# Altium PCB CCZynq.PcbDoc (part 2 of 5) (continued)
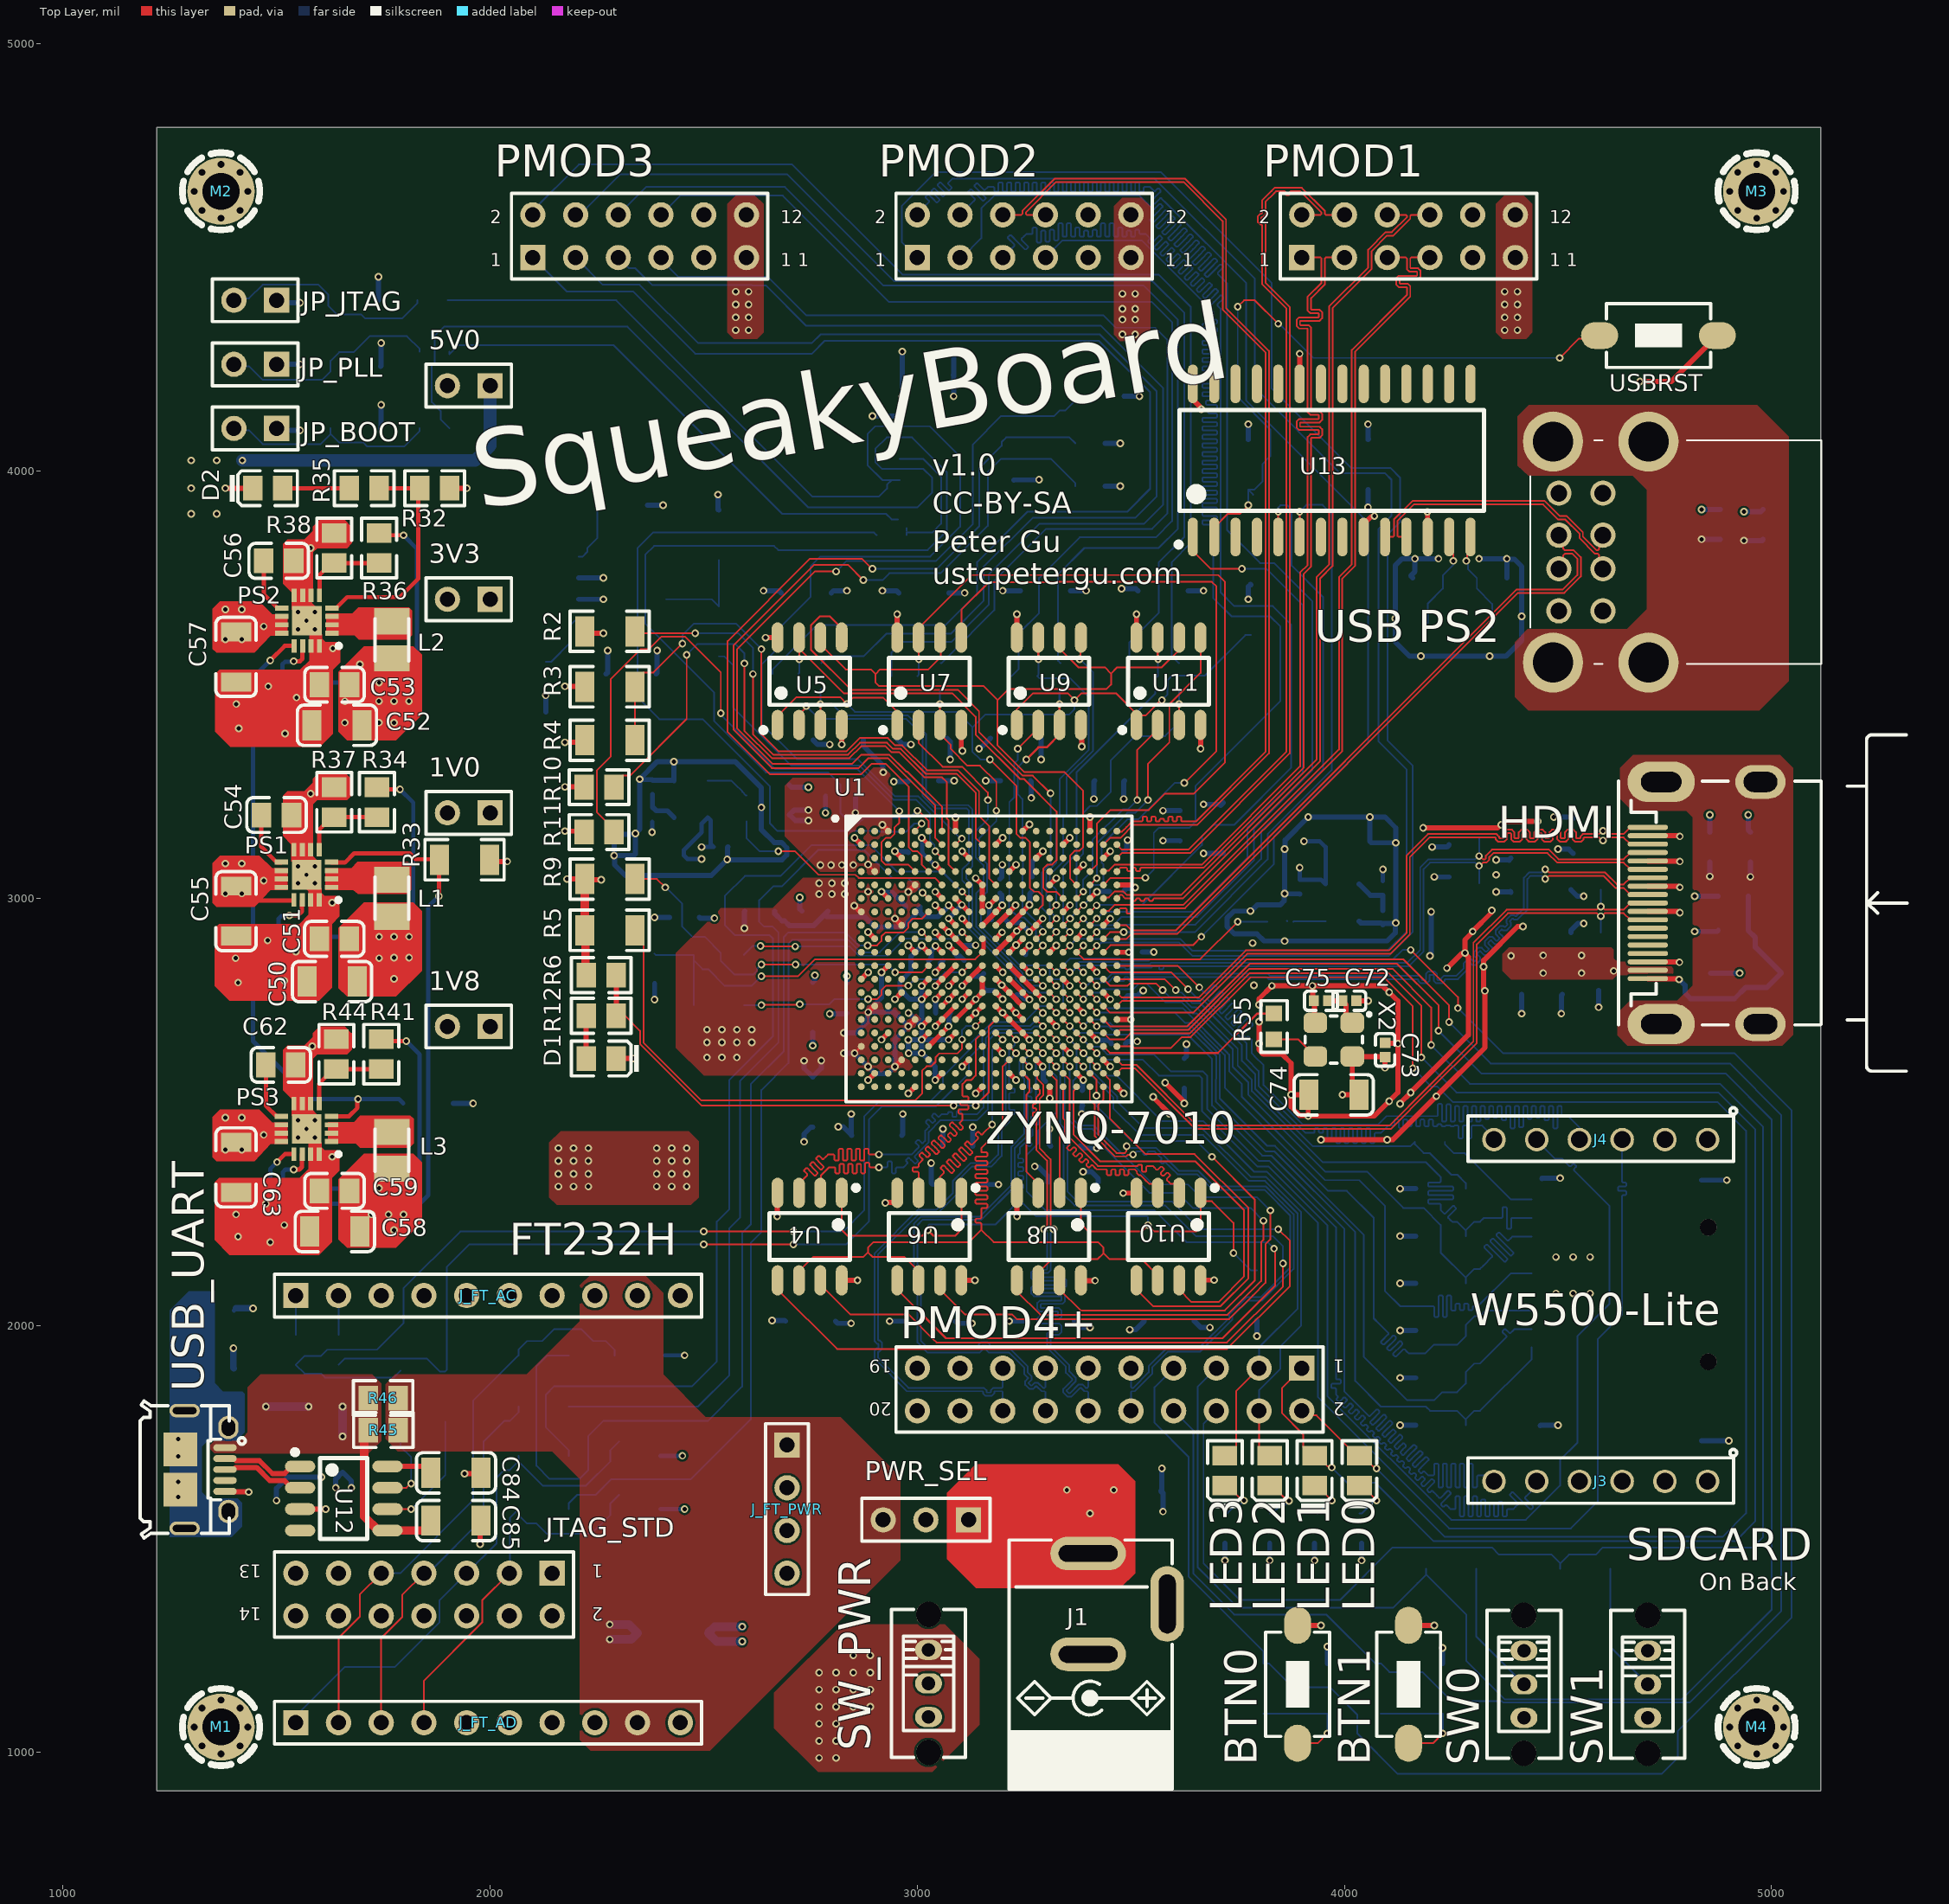
[diagram p0: Top Layer view]
## Nets (pads, with @x,y where several pads share a name; then routed paths per layer and width w, separated by ;. In a path a pad name is that pad's centre, name@x,y a point inside that pad or via, vN(x,y) a via of type N, cw(c..) or ccw(c..) an arc to the next point about the centre after c; other vN are vias at no path point) (continued)
FL_DQ1: U1.E18 U11.5 | length 697.2
  Top Layer w4: U1.E18@3404.22,3031.23 3404.34,3031.23 3419.85,3046.75 v1(3419.97,3046.86) ; v1(3540,3230) 3540,3315 3590,3365 3590,3454.43 3663,3527.43 U11.5@3663,3610.36
  Bottom Layer w4: v1(3419.97,3046.86) 3419.97,3128.41 3491.55,3200 3510,3200 v1(3540,3230)
FL_DQ2: U1.F17 U11.2 | length 503.2
  Top Layer w4: U1.F17@3372.72,2999.73 v1(3388.47,3015.48) ; v1(3515,3230) 3515,3347.6 U11.2@3563,3395.6 ; U11.2@3563,3383.98 U11.2@3563,3395.6 ; U11.2@3563,3405.64 U11.2@3563,3395.6
  Bottom Layer w4: v1(3388.47,3015.48) 3388.47,3043.54 3410,3065.07 3410,3136.73 3481.27,3208 3493,3208 v1(3515,3230)
FL_DQ3: R53.1 U1.H16 U11.3 | length 766.9
  Top Layer w4: U1.H16@3341.23,2936.74 3341.46,2936.74 3357.21,2952.49 v1(3357.44,2952.49) ; U11.3@3613,3405.64 v1(3613,3455)
  Bottom Layer w4: v1(3357.44,2952.49) 3357.44,2952.95 3373.07,2968.58 3373.07,2990.55 3372.61,2991.02 3372.61,3088.41 3388.36,3104.16 3388.36,3200.13 3404.23,3216 3419.5,3216 3452.97,3249.46 3452.97,3322.97 3509.61,3379.61 3580.32,3379.61 3613,3412.29 v1(3613,3455) R53.1@3613,3489.69 R53.1@3613.98,3489.69
FL_DQ4: R58.1 U1.J16 U11.7 | length 810.5
  Top Layer w4: U1.J16@3341.23,2905.24 v1(3356.98,2920.99)
  Top Layer w5: U11.7@3563,3610.36 3563,3560.66 v1(3563.66,3560)
  Bottom Layer w4: v1(3356.98,2920.99) 3341.57,2936.39 3341.57,2959.06 3341.34,2959.29 3341.34,3073.22 3372.84,3104.71 3372.84,3295.26 3557.36,3479.78 R58.1@3557.36,3515 3563.66,3521.3 v1(3563.66,3560)
FL_SCK: U1.E17 U5.6 U7.6 U9.6 U11.6 | length 1992.4
  Top Layer w4: U5.6@2775,3605.08 2775,3593.01 2832.29,3535.72 2891.57,3535.72 2902.28,3525 ; U7.6@3054.43,3604.51 3054.43,3564.43 3025.72,3535.72 2913,3535.72 2902.28,3525 ; U9.6@3335,3605.08 3335,3582.57 3376.85,3540.72 3438.93,3540.72 3453.46,3526.18 ; U1.E17@3372.72,3031.23 3357.72,3046.23 3357.72,3100.44 3367.99,3110.71 3378.94,3110.71 3388.36,3120.13 3388.36,3251.72 3344.33,3295.75 3250.25,3295.75 3188,3358 3188,3463.94 ; U11.6@3613,3610.36 U11.6@3613,3630.01 ; U11.6@3615,3605.08 3615,3583.42 3572.29,3540.72 3468,3540.72 3453.46,3526.18 ; 2902.28,3525 2902.28,3504.65 2910.44,3496.5 3155.44,3496.5 3188,3463.94 ; 3188,3463.94 3214.06,3490 3443.21,3490 3453.46,3500.25 3453.46,3526.18
GND: 1V0.2 1V8.2 3V3.2 5V0.2 "USB PS2.A4" "USB PS2.B4" C1.2 C2.2 C3.2 C4.2 C5.2 C6.2 C7.2 C9.1 C10.1 C11.1 C12.2 C13.2 C14.2 C15.2 C16.2 C17.1 C18.1 C19.1 C20.2 C21.2 C22.2 C23.1 C24.1 C25.1 C26.1 C27.2 C28.2 C29.2 C30.2 C31.2 C32.2 C33.2 C34.2 C35.2 C36.2 C37.2 C38.2 C39.2 C40.2 C41.1 C42.1 C44.2 C45.1 C46.2 C48.1 C49.1 C50.1 C51.1 C52.1 C53.1 C54.1 C55.1 C56.1 C57.1 C58.1 C59.1 C60.1 C61.1 C62.1 C63.1 C64.1 C65.1 C66.1 C67.1 C68.1 C69.1 C70.1 C71.1 C73.2 C74.1 C75.2 C77.2 C78.1 C79.2 C80.1 C81.2 C82.1 C83.2 C84.2 C85.2 C86.1 C87.1 C88.1 D1.K D2.K D3.1 D4.1 D5.1 FB1.1 HDMI.2 HDMI.5 HDMI.8 HDMI.11 HDMI.17 J1.2 J1.3 J2.6 J2.SH1 J2.SH2 J2.SH3 J2.SH4 J3.1 J4.1 J4.2 J_FT_AD.10 J_FT_PWR.4 JTAG_STD.2 JTAG_STD.4 JTAG_STD.6 JTAG_STD.8 JTAG_STD.10 JTAG_STD.12 JTAG_STD.14 M1.1 M2.1 M3.1 M4.1 PMOD1.9 PMOD1.10 PMOD2.9 PMOD2.10 PMOD3.9 PMOD3.10 PMOD4+.17 PMOD4+.18 PS1.6 PS1.7 PS1.8 PS1.15 PS1.16 PS1.17 PS2.6 PS2.7 PS2.8 PS2.15 PS2.16 PS2.17 PS3.6 PS3.7 PS3.8 PS3.15 PS3.16 PS3.17 R4.2 R7.2 R8.2 R10.2 R11.2 R15.2 R20.2 R23.2 R37.1 R38.1 R40.1 R44.1 R49.1 R73.1 R74.1 R75.1 R76.1 R77.1 R78.1 R88.2 R89.2 SW0.1 SW1.1 U1.A8 U1.A18 U1.B1 U1.B11 U1.C4 U1.C9 U1.C14 U1.D17 U1.E10 U1.E20 U1.F3 U1.F7 U1.F10 U1.F11 U1.G10 U1.G12 U1.G16 U1.H7 U1.H9 U1.H11 U1.H13 U1.H19 U1.J2 U1.J8 U1.J12 U1.K5 U1.K7 U1.K9 U1.K11 U1.K13 U1.K15 U1.L8 U1.L10 U1.L12 U1.L18 U1.M1 U1.M7 U1.M9 U1.M10 U1.M11 U1.M13 U1.N4 U1.N8 U1.N10 U1.N12 U1.N14 U1.P7 U1.P9 U1.P11 U1.P13 U1.P17 U1.R8 U1.R12 U1.R20 U1.T3 U1.T7 U1.T13 U1.U6 U1.U16 U1.V9 U1.V19 U1.W2 U1.W12 U1.Y5 U1.Y15 U2.4 U3.3 U4.4 U5.4 U6.4 U7.4 U8.4 U9.4 U10.4 U11.4 U12.3 U13.12 U13.23 USB_UART.5 X1.2 X2.2 X3.2 | length 14231.1
  Top Layer w12: USB_UART.5@1379.33,1611.58 1380.12,1610.79 1434.21,1610.79 v1(1435,1610) ; v1(1379.9,3960) D2.K@1444.02,3960.04 D2.K@1444.02,3960.04 ; U12.3@1555.04,1570 v1(1614.76,1570) ; v1(1940,1652.85) 1976.51,1652.85 C84.2@1978.66,1655 ; v1(1976.51,1488.27) 1976.51,1541.07 C85.2@1978.66,1543.23 ; v1(2175,3157.21) 2217.75,3157.21 R11.2@2219.96,3155 ; v1(2175,3260.69) 2219.27,3260.69 R10.2@2219.96,3260 ; v1(2175,3365) 2216.34,3365 R4.2@2221.34,3370 ; D1.K@2295.04,2625 2295.16,2624.88 v1(2335,2624.88) ; v1(2671.78,2255) 2672.39,2255.61 2672.39,2309.75 U4.4@2673,2310.36 ; v1(2823,3360) U5.4@2823,3405.64 ; v1(2853.04,3141.46) U1.B1@2868.79,3125.72 ; U1.M1@2868.79,2810.76 2884.54,2826.5 v1(2885.11,2826.5) ; v1(2884.54,2574.54) U1.W2@2900.28,2590.28 ; v1(2884.54,2920.99) U1.J2@2900.28,2905.24 ; v1(2916.03,2669.02) U1.T3@2931.78,2684.77 ; v1(2916.03,3015.48) U1.F3@2931.78,2999.73 ; v1(2925,2287) 2926.09,2288.09 2945.81,2288.09 2953,2295.28 U6.4@2953,2310.36 ; v1(2947.53,2763.51) U1.N4@2963.28,2779.26 ; v1(2947.53,3109.97) U1.C4@2963.28,3094.22 ; v1(2979.02,2543.04) U1.Y5@2994.77,2558.79 ; v1(2979.02,2889.5) U1.K5@2994.77,2873.75 ; U1.U6@3026.27,2653.28 U1.T7@3057.76,2684.77 3057.76,2684.89 3073.28,2700.4 v1(3073.28,2700.52) ; v1(3042.02,2794.78) 3042.02,2794.89 3057.76,2810.64 U1.M7@3057.76,2810.76 U1.L8@3089.26,2842.25 ; v1(3042.02,3015.25) 3042.13,3015.25 3057.65,2999.73 U1.F7@3057.76,2999.73 ; v1(3042.36,2888.57) 3042.65,2888.57 3057.48,2873.75 U1.K7@3057.76,2873.75 ; U1.H7@3057.53,2936.74 U1.H7@3057.76,2936.74 v1(3073.51,2920.99) U1.J8@3089.26,2905.24 U1.K9@3120.76,2873.75 ; U1.P7@3057.76,2747.76 v1(3073.51,2763.51) U1.N8@3089.26,2779.26 ; v1(3089.14,3189.02) 3089.14,3157.33 U1.A8@3089.26,3157.21 ; U1.R8@3089.26,2716.27 U1.P9@3120.76,2747.76 v1(3136.5,2763.51) U1.N10@3152.25,2779.26 U1.M10@3152.25,2810.76 ; v1@3103,3350 U7.4@3103,3405.64 ; v1(3105.01,2606.03) U1.V9@3120.76,2621.78 ; v1(3105.01,2795.01) U1.M9@3120.76,2810.76 U1.L10@3152.25,2842.25 ; v1(3105.01,2952.49) U1.H9@3120.76,2936.74 ; v1(3105.01,3109.97) U1.C9@3120.76,3094.22 ; v1(3136.5,3046.98) U1.E10@3152.25,3031.23 U1.F10@3152.25,2999.73 U1.G10@3152.25,2968.24 ; v1(3167.66,2983.64) U1.F11@3183.75,2999.73 ; U1.P11@3183.75,2747.76 v1(3199.5,2732.02) U1.R12@3215.24,2716.27 U1.T13@3246.74,2684.77 v1(3262.49,2669.02) ; U1.M11@3183.75,2810.76 U1.N12@3215.24,2779.26 3232.46,2762.04 3232.46,2761.81 ; U1.K11@3183.75,2873.75 U1.J12@3215.24,2905.24 3232.78,2922.78 v1(3232.78,2923.35) 3233.35,2923.35 U1.H13@3246.74,2936.74 U1.H13@3246.74,2936.97 ; U1.H11@3183.75,2936.74 U1.G12@3215.24,2968.24 3215.24,2968.52 3230.3,2983.58 v1(3230.3,2983.87) ; U1.B11@3183.75,3125.72 v1(3199.5,3141.46) ; U1.W12@3215.24,2590.28 v1(3230.99,2574.54) ; U1.L12@3215.24,2842.25 U1.M13@3246.74,2810.76 U1.N14@3278.24,2779.26 3278.24,2779.14 3293.98,2763.4 v1(3293.98,2763.28) ; U8.4@3233,2310.36 3233.18,2310.19 3233.18,2255.79 v1(3233.35,2255.61) ; U1.K13@3246.74,2873.75 v1(3262.49,2889.5) ; U1.C14@3278.24,3094.22 v1(3293.98,3109.97) ; U1.Y15@3309.73,2558.79 3310,2558.52 v1@3310,2535 ; U1.K15@3309.73,2873.75 v1(3325.48,2889.5) ; U1.U16@3341.23,2653.28 3341.34,2653.28 3357.09,2637.53 v1(3357.21,2637.53) ; U1.G16@3341.23,2968.24 3341.34,2968.24 3357.09,2983.98 v1(3357.21,2983.98) ; U1.P17@3372.72,2747.76 v1(3388.47,2732.02) ; U1.D17@3372.72,3062.72 v1(3388.47,3078.47) ; U9.4@3383,3405.64 3385,3403.64 v1(3385,3355) ; U1.L18@3404.22,2842.25 3404.45,2842.25 3419.74,2826.97 v1(3419.97,2826.97) ; U1.A18@3404.22,3157.21 v1(3404.22,3190) ; U1.V19@3435.72,2621.78 v1(3451.46,2606.03) ; U1.H19@3435.72,2936.74 v1(3451.46,2952.49) ; U1.R20@3467.21,2716.27 v1(3500,2716.27) ; U1.E20@3467.21,3031.23 3502.23,3031.23 3508.45,3025 v1(3510,3025) ; v1(3481.83,2309.75) 3512.39,2309.75 U10.4@3513,2310.36 ; v1(3551.98,2535) 3551.98,2534.02 3590,2496 v1(3590,2495.02) ; v1(3580,2568.54) 3623.91,2524.63 3623.91,2521.09 v1(3625,2520) ; v1(3663,3350) U11.4@3663,3405.64 ; v1(3800,2711.19) v1(3800,2660) 3800,2645 3810,2635 3854.02,2635 3875,2614.02 v1(3875,2540) ; v1(3800,2750.69) 3800,2765 v1(3830,2795) v1(3925,2795) v1@3926.09,2793.91 ; U13.23@3895,4204.13 v1(3895,4275) ; X2.2@3931.69,2708.51 3929.98,2710.22 3929.98,2758.29 C75.2@3928.27,2760 3926.09,2762.17 v1@3926.09,2793.91 ; v1(3945,2435) v1(4100,2435) 4113.5,2435 v1(4215,2536.5) 4328.66,2650.17 v1(4328.66,2783.37) 4328.66,2784.91 4325.84,2787.74 v1(4325.84,2839.88) 4325.84,2854.7 4405.13,2933.99 v1(4418,2933.99) ; C73.2@4095,2661.73 4095.87,2660.87 4124.13,2660.87 v1(4125,2660) ; v1(4130,2519.06) 4130,2519.72 4155,2544.72 v1(4155,2545.39) 4289.86,2680.25 4289.86,2862.53 4281.68,2870.71 v1@4281.04,2870.71 ; v1(4184.29,3164.8) 4358.25,3164.8 4365.45,3172 v1(4367,3172) 4368.55,3172 4376.55,3180 v1(4452,3180) ; v1(4194.07,3904.59) 4194.53,3904.12 4194.53,3846.33 U13.12@4195,3845.87 ; v1(4240,2836.5) 4274.21,2870.71 v1@4281.04,2870.71 ; v1(4345,2971.73) 4343.91,2970.64 4343.91,2966.23 v1(4300,2922.32) 4300,2920.78 4282.13,2902.91 v1(4282.13,2871.8) v1@4281.04,2870.71 ; HDMI.17@4710,2851.18 4710.09,2851.09 4783.07,2851.09 v1(4783.92,2850.24) ; HDMI.11@4710,2969.29 4780.5,2969.29 4783.45,2966.34 v1(4785,2966.34) ; HDMI.8@4710,3028.35 4780.75,3028.35 4783.45,3025.64 v1(4785,3025.64) ; HDMI.5@4710,3087.4 4710.09,3087.31 4783.92,3087.31 v1(4785,3086.23) ; HDMI.2@4710,3146.46 4782,3146.46 4783.45,3145 v1(4785,3145) ; 3232.46,2761.81 v1(3197.47,2796.83) 3215.13,2779.14 3232.46,2761.81 ; 3232.46,2761.81 3232.81,2761.47 ; 3232.46,2761.81 3232.46,2761.47 3232.81,2761.47 ; 3232.81,2761.47 3246.74,2747.53 U1.P13@3246.74,2747.76 3233.04,2761.47 3232.81,2761.47 ; v1(3875,2540) 3875,2511.77 3895.68,2491.09 3913.91,2491.09 v1(3915,2490) ; v1(3875,2540) C74.1@3916.34,2540 3915,2538.66 v1(3915,2490) ; v1(3915,2490) 4069.53,2490 v1(4104.53,2525) 4125,2545.47 v1(4125,2660) ; v1@3926.09,2793.91 3927.19,2795 4089.53,2795 v1(4104.53,2780) 4125,2759.53 v1(4125,2660)
  Bottom Layer w10: R40.1@1400.04,2035 R40.1@1405.04,2040
  Bottom Layer w12: v1(1500,1590) 1500,1618.79 D4.1@1525.86,1644.64 1526.21,1645 v1(1605,1645) ; v1(1638.7,1620) 1638.7,1640.59 C60.1@1654.45,1656.34 1675,1635.79 v1(1675,1620) ; R15.2@1738.66,4400 v1(1738.66,4455) ; R23.2@1743.66,4100 1745,4101.34 v1(1745,4155) ; R20.2@1743.66,4245 1745,4246.34 v1(1745,4300) ; U3.3@2207.64,3750 v1(2265,3750) ; v1(2385,2762.63) FB1.1@2385,2799.96 ; v1(2385,2955.2) 2419.76,2955.2 C3.2@2419.96,2955 ; C49.1@2388.66,3525 2390.98,3527.32 v1(2390.98,3580) ; X1.2@2430.63,3275.63 X1.2@2430.32,3275.95 ; C44.2@2556.73,3120 2555.87,3119.13 2555.87,3091.79 v1(2555,3090.92) ; v1(2660,2011.34) 2689.68,2011.34 C64.1@2691.02,2010 ; C10.1@2700,3265 2705.04,3259.96 v1(2745,3259.96) ; v1(2725,3001.78) 2725,2974.68 C42.1@2729.68,2970 ; v1(2735,2430) 2735,2448.3 2751.24,2464.54 C11.1@2755,2464.54 ; v1(2755,2655) C12.2@2755,2686.34 ; C19.1@2756.34,3370 2766.34,3360 v1(2795,3360) ; C18.1@2784.96,3238.94 C18.1@2784.96,3238.94 v1(2785,3200) ; v1(2795,2729.2) 2833.27,2729.2 C13.2@2835,2730.92 ; C65.1@2798.66,3715 2803.66,3720 v1(2835,3720) ; v1(2916.03,3015.48) 2917.13,3014.39 2939.87,3014.39 2973.27,2980.98 C41.1@2973.27,2980 ; v1(2935,2010) C66.1@2971.34,2010 ; v1(2945,3273.44) 2978.4,3273.44 C2.2@2979.96,3275 ; v1(2947.53,3109.97) 2948.62,3108.87 2976.49,3108.87 C22.2@2978.63,3106.73 ; C1.2@2951.34,3375 2966.34,3360 v1(2985,3360) ; C26.1@2963.66,2445 2966.06,2447.4 v1(2966.06,2495.02) ; C14.2@3026.54,2853.57 3032.35,2859.39 3032.35,2877.01 3042.36,2887.03 v1(3042.36,2888.57) ; v1(3073.28,2700.52) 3074.38,2701.61 3074.38,2729.2 C15.2@3076.73,2731.55 ; C67.1@3073.66,3715 v1(3110.85,3715) ; v1(3085,4175) 3085,4223.66 C48.1@3083.66,4225 3085,4226.34 v1(3085,4280) ; v1(3105.01,2795.01) 3127.7,2817.7 3149.19,2817.7 C9.1@3155,2823.51 ; C17.1@3110,2888.38 3110.85,2889.23 3135.66,2889.23 v1(3136.5,2890.07) ; v1(3130,2464.54) C21.2@3130.04,2420 C21.2@3130.04,2420 ; v1(3136.5,2763.51) v1@3137.39,2762.63 ; C20.2@3153.66,2330 v1(3190,2330) ; C34.2@3167.66,2955.61 C34.2@3168.75,2954.52 ; v1(3167.66,2983.64) 3168.75,2982.55 C34.2@3168.75,2954.52 ; C34.2@3173.27,2950 C34.2@3168.75,2954.52 ; C23.1@3193.69,3045.32 3197.83,3049.45 3197.83,3077.38 v1(3198.92,3078.47) ; v1(3215.13,2010) C68.1@3250.72,2010 ; U2.4@3226.02,3978.94 3226.54,3979.47 3284.47,3979.47 v1(3285,3980) ; C7.2@3253.17,2868.17 3253.17,2876.39 3261.39,2884.61 3261.39,2888.4 v1(3262.49,2889.5) ; C24.1@3265.04,3275 3266.86,3273.18 v1(3266.86,3235) ; C6.2@3269.06,3050 3269.06,3085.04 v1(3293.98,3109.97) ; v1(3275,2372.44) 3276.09,2371.34 3283.18,2371.34 3306.34,2348.19 C27.2@3306.34,2335 ; C25.1@3288.66,3375 3290,3373.66 v1(3290,3325) ; v1(3309.39,2460) 3309.39,2423.1 C28.2@3312.48,2420 ; C69.1@3358.66,3720 v1(3395,3720) ; v1(3385,2495) 3385,2512.91 3387.26,2515.17 C31.2@3386.09,2516.34 ; R7.2@3440,4065 v1(3475,4065) ; R8.2@3440.08,3965.04 R8.2@3440.08,3965.04 v1(3475,3965) ; v1(3483.17,3232.33) 3483.17,3273.13 C39.2@3485.04,3275 ; C35.2@3483.66,3016.54 3483.66,3017.52 3489.47,3023.33 3506.79,3023.33 3508.45,3025 v1(3510,3025) ; C37.2@3484.55,3110.13 3490.36,3115.95 3490.36,3132.4 3492.54,3134.58 v1(3492.54,3136.13) ; C30.2@3486.73,2764.98 3486.73,2765.96 3492.54,2771.78 3514.72,2771.78 3527.18,2784.24 v1(3528.73,2784.24) ; C32.2@3487.57,2660 3492.57,2665 v1(3515,2665) ; v1(3497.53,1990) 3511.34,1990 C70.1@3531.34,2010 ; C36.2@3526.73,2873.75 3527.04,2874.06 3553.23,2874.06 v1(3553.54,2874.37) ; v1(3572.68,1665) D3.1@3572.68,1615 3570,1612.32 3575,1607.32 v1(3575,1564.33) ; v1(3575,3205) C38.2@3615,3205.04 C38.2@3615,3205.04 ; v1(3625,2520) C29.2@3625,2554.96 ; C71.1@3633.66,3720 v1(3670,3720) ; v1(3670,3220) 3707.12,3220 3710,3217.12 C40.2@3716.55,3223.66 ; v1(3720,1450) R78.1@3720,1489.96 ; v1(3825,1450) R77.1@3825,1489.96 ; C77.2@3895,3010.01 3894.51,3010.5 3860.49,3010.5 v1(3860,3010.99) ; v1(3930,1450) R76.1@3930,1489.96 ; R73.1@3960,1208.66 v1(3960,1248.21) ; X3.2@4034.37,2946.46 4038.47,2942.37 4085.9,2942.37 C79.2@4090,2938.27 4093,2941.27 v1@4118.91,2941.27 ; v1(4040,1450) R75.1@4040,1489.96 ; C88.1@4055,4073.66 4056.34,4075 4055,4076.34 v1(4055,4110) ; C86.1@4159.96,3750 4155,3754.96 4165,3764.96 v1(4165,3795) ; v1(4200.13,2865) 4200.13,2866.55 4202.75,2869.17 v1(4202.75,2968.66) ; v1(4220,3795) v1(4165,3795) ; R74.1@4230,1208.66 v1(4230,1245) ; v1(4315.04,3795) v1(4380.04,3795) ; C87.1@4380.04,3750 v1(4380.04,3795) ; 4407.09,2933.99 v1(4418,2933.99) ; J2.SH4@4457.99,1765.31 4459.37,1766.69 v1(4500,1766.69) ; J2.SH1@4461.93,2344.06 4462.87,2345 v1(4505,2345) ; v1(4507.48,2730) 4507.48,2772.44 C81.2@4510,2774.96 ; v1(4595,2745) C82.1@4595,2784.69 ; v1(4820,2922.32) 4872.28,2922.32 R88.2@4874.96,2925 ; J2.SH3@4835.95,1729.88 4836.06,1730 v1(4900,1730) ; J2.SH2@4835.94,2340.12 v1(4895,2340.12) ; v1(4835.95,3910) 4879.4,3910 C80.1@4880,3910.6 ; C83.2@4855,3155.04 v1(4855,3195) ; v1(4935,3905) 4974.96,3905 R49.1@4980,3910.04 ; v1(4945.04,3195.08) 4945.04,3160 R89.2@4950,3155.04 ; v1(2290,3100) 2291.09,3098.91 2291.09,3078.91 2316.44,3053.56 2517.64,3053.56 v1(2555,3090.92) ; v1(2290,3100) 2290,3130 2310,3150 v1@2340,3150 ; v1(2290,3100) C45.1@2336.34,3100 2340,3103.66 v1@2340,3150 ; v1@2340,3150 v1(2340,3151.55) 2350,3161.55 v1(2350,3278.76) ; v1(2350,3278.76) 2391.24,3320 v1(2430,3320) ; v1(2350,3278.76) 2351.02,3277.75 2378.98,3277.75 C46.2@2380,3276.73 2380.55,3276.18 2430.08,3276.18 X1.2@2430.32,3275.95 ; v1(2430,3320) 2573.48,3320 2635,3258.48 v1(2635,3212.83) 2635,3160.62 2665,3130.62 2682.16,3130.62 2694.55,3118.23 2694.55,3101.29 2683.39,3090.14 2555.78,3090.14 v1(2555,3090.92) ; v1(2430,3320) 2430.32,3319.69 X1.2@2430.32,3275.95 ; v1(3860,3010.99) 3858.91,3009.9 3858.91,2993.91 3850,2985 3796.55,2985 3781.55,2970 v1(3780,2970) 3741.34,2970 3725,2953.66 3725,2933.98 3742.47,2916.5 3795.02,2916.5 3811.52,2900 v1(3860,2900) 4100,2900 4118.91,2918.91 v1@4118.91,2941.27 ; v1(3860,3010.99) v1(3860,3115.24) 3861.09,3116.33 3861.09,3136.09 v1(3915,3190) v1(4059.53,3190) ; v1(4059.53,3190) C78.1@4059.53,3133.31 4062.89,3129.94 v1(4120,3129.94) ; v1(4059.53,3190) 4095,3190 4120,3165 v1(4120,3129.94) ; v1@4118.91,2941.27 v1(4120,2942.37) v1(4120,3129.94) ; v1(4165,3795) 4135,3795 4118.91,3778.91 4118.91,3600.18 4152.46,3566.62 v1(4178.92,3566.62) v1(4340,3566.62) 4377.54,3566.62 4415,3604.08 v1(4415,3660) 4415,3776.29 4397.38,3793.91 4381.13,3793.91 v1(4380.04,3795)
  Bottom Layer w15: v1(1399.02,1946.69) 1399.02,1901.02 C61.1@1400.04,1900 ; R40.1@1405.04,2040 v1(1445,2040)
  Bottom Layer w20: v1(2590,1260) 2530.64,1260 D5.1@2510.64,1280 2525.64,1295 v1(2590.2,1295)
  other v1: 4495,2160 4535,2160 4575,2160 1485,2195 1410,2207.76 1518.11,2235 1405,2260 1475,2285 1630,2394.76 1550,2440 1590,2440 1570,2460 1550,2480 1590,2480 3310,2531.73 1583.43,2653.28 3788.15,2796.27 1410,2802.76 1518.11,2806.78 1404.06,2859.76 1545,2875 3785,2895.16 1479.06,2901.27 1630,2989.76 1550,3035 1590,3035 1570,3055 4355,3055 1550,3075 1590,3075 1580,3245 3105.52,3345 1520,3385.47 1411.65,3397.76 1405.71,3454.76 1546.65,3470 1480.71,3496.27 1631.65,3584.76 1550,3630 1590,3630 1570,3650 4118.91,3655 1550,3670 1590,3670 1580,3820
  other v2: 1370,997.01 4965,997.01 1325.46,1015.46 1414.54,1015.46 4920.46,1015.46 5009.54,1015.46 1307.01,1060 1432.99,1060 4902.01,1060 5027.99,1060 1325.46,1104.54 1414.54,1104.54 4920.46,1104.54 5009.54,1104.54 1370,1122.99 4965,1122.99 1370,4592.01 4965,4592.01 1325.46,4610.46 1414.54,4610.46 4920.46,4610.46 5009.54,4610.46 1307.01,4655 1432.99,4655 4902.01,4655 5027.99,4655 1325.46,4699.54 1414.54,4699.54 4920.46,4699.54 5009.54,4699.54 1370,4717.99 4965,4717.99
GNDADC: C8.2 C47.1 FB1.2 U1.J10 U1.K10 | length 975.9
  Top Layer w4: v1(2635,2817.7) 2720.97,2817.7 2760.52,2857.26 3135.76,2857.26 U1.K10@3152.25,2873.75
  Top Layer w10: U1.K10@3152.25,2873.75 3153.4,2874.9 3153.4,2880.29 3155.37,2882.26 3155.37,2900.51 3152.25,2903.62 U1.J10@3152.25,2903.91
  Bottom Layer w4: FB1.2@2385,2870.04 2387.72,2867.32 C8.2@2477.1,2867.32 C8.2@2477.1,2854.13 ; C47.1@2476.34,2750 2477.1,2750.76 C8.2@2477.1,2854.13 ; v1(2635,2817.7) 2612.3,2795 2549.42,2795 2510.53,2833.89 2497.34,2833.89 C8.2@2477.1,2854.13
HDMI_5V: C81.1 C82.2 FB3.1 HDMI.18
  other v1: 4465,2825 4555,2825 4630,2830 4389.96,2865 4555,2866.1 4465,2866.5
HDMI_CLK_N: HDMI.12 R86.1 U1.W20 | length 1701.5
  Top Layer w4: U1.W20@3467.21,2590.28 3478.96,2602.03 3509.22,2602.03 3651.25,2460 4108.31,2460 4199.95,2551.64 4309.86,2661.55 4309.86,2892.42 4382.74,2965.29 4590.84,2965.29 4598.2,2957.93 v1(4600.04,2957.93) 4601.88,2957.93 4609.24,2965.29 4653.41,2965.29 4669.09,2949.61 HDMI.12@4710,2949.61
  Bottom Layer w4: R86.1@4600.04,2920 v1(4600.04,2957.93)
HDMI_CLK_P: HDMI.10 R85.1 U1.V20 | length 1703
  Top Layer w4: U1.V20@3467.21,2621.78 3478.96,2610.03 3512.53,2610.03 3654.57,2468 4105,2468 4194.29,2557.29 4301.86,2664.86 4301.86,2895.73 4379.43,2973.29 4590.84,2973.29 4598.2,2980.65 v1(4600.04,2980.65) 4601.88,2980.65 4609.24,2973.29 4653.41,2973.29 4669.09,2988.98 HDMI.10@4710,2988.98
  Bottom Layer w4: v1(4600.04,2980.65) R85.1@4600.04,3020
HDMI_D0_N: HDMI.9 R80.1 U1.M18 | length 1673.5
  Top Layer w4: U1.M18@3404.22,2810.76 3404.34,2810.76 3419.85,2795.24 v1(3419.97,2795.24) ; v1@4470,3040 v1(4470,3045.16) 4471.84,3045.16 4479.2,3052.52 4606.17,3052.52 4634.34,3024.35 4653.41,3024.35 4669.09,3008.66 HDMI.9@4710,3008.66
  Bottom Layer w4: v1(3419.97,2795.24) 3421.31,2795.24 3429.17,2803.1 3446.78,2803.1 3459.54,2815.86 3464.54,2815.86 3472.54,2815.86 3474.54,2813.86 3474.54,2808.02 3476.54,2806.02 3482.54,2806.02 3484.54,2808.02 3484.54,2813.86 3486.54,2815.86 3492.54,2815.86 3494.54,2813.86 3494.54,2808.02 3496.54,2806.02 3502.54,2806.02 3504.54,2808.02 3504.54,2813.86 3506.54,2815.86 3525,2815.86 3817.01,2815.86 3822.01,2810.86 4171.53,2810.86 4172.79,2809.61 4172.79,2806.81 4178.73,2800.86 4192.85,2800.86 4198.79,2806.81 4198.79,2819.61 4200.05,2820.86 4207.53,2820.86 4208.79,2819.61 4208.79,2806.81 4214.73,2800.86 4228.85,2800.86 4234.79,2806.81 4234.79,2809.61 4236.05,2810.86 4265.45,2810.86 4287.57,2832.99 4287.57,2841.39 ; 4286.68,2842.28 4286.68,2844.06 4291.98,2849.35 4293.75,2849.35 4299.11,2843.99 4307.52,2843.99 4317.5,2853.97 4317.5,2862.38 4311.04,2868.83 4311.04,2870.61 4316.34,2875.9 4318.12,2875.9 4327.17,2866.85 4335.57,2866.85 4345.55,2876.83 4345.55,2885.23 4336.5,2894.28 4336.5,2896.06 4341.79,2901.35 4343.57,2901.35 4352.62,2892.3 4361.03,2892.3 4371.01,2902.28 4371.01,2910.69 4361.96,2919.74 4361.96,2921.52 4367.25,2926.81 4369.03,2926.81 4371.01,2924.83 4379.41,2924.83 4389.39,2934.81 4389.39,2943.22 4387.41,2945.2 4387.41,2946.97 4392.71,2952.27 4394.48,2952.27 4396.46,2950.29 4404.87,2950.29 4428,2973.42 4428,3045.03 4435.49,3052.52 4461.9,3052.52 4469.26,3045.16 v1(4470,3045.16)
HDMI_D0_P: HDMI.7 R79.1 U1.M17 | length 1673.5
  Top Layer w4: U1.M17@3372.72,2810.76 v1(3388.47,2795.01) ; v1(4470,3067.88) 4471.84,3067.88 4479.2,3060.52 4609.48,3060.52 4637.65,3032.35 4653.41,3032.35 4669.09,3048.03 HDMI.7@4710,3048.03
  Bottom Layer w4: v1(3388.47,2795.01) 3391.1,2797.63 3399.93,2797.63 3413.4,2811.1 3443.47,2811.1 3456.23,2823.86 3506.54,2823.86 3525,2823.86 3820.32,2823.86 3825.32,2818.86 4174.85,2818.86 4180.79,2812.92 4180.79,2810.12 4182.05,2808.86 4189.53,2808.86 4190.79,2810.12 4190.79,2822.92 4196.73,2828.86 4210.85,2828.86 4216.79,2822.92 4216.79,2810.12 4218.05,2808.86 4225.53,2808.86 4226.79,2810.12 4226.79,2812.92 4232.73,2818.86 4262.13,2818.86 4279.57,2836.3 4279.57,2838.08 ; 4278.68,2838.96 4278.68,2847.37 4288.66,2857.35 4297.07,2857.35 4302.42,2851.99 4304.2,2851.99 4309.5,2857.29 4309.5,2859.06 4303.04,2865.51 4303.04,2873.92 4313.02,2883.9 4321.43,2883.9 4330.48,2874.85 4332.26,2874.85 4337.55,2880.14 4337.55,2881.92 4328.5,2890.97 4328.5,2899.37 4338.48,2909.35 4346.89,2909.35 4355.94,2900.3 4357.71,2900.3 4363.01,2905.6 4363.01,2907.37 4353.96,2916.43 4353.96,2924.83 4363.94,2934.81 4372.34,2934.81 4374.32,2932.83 4376.1,2932.83 4381.39,2938.12 4381.39,2939.9 4379.41,2941.88 4379.41,2950.29 4389.39,2960.27 4397.8,2960.27 4399.78,2958.29 4401.55,2958.29 4420,2976.73 4420,3048.34 4432.18,3060.52 4462.93,3060.52 4470,3067.59 v1(4470,3067.88)
HDMI_D1_N: HDMI.6 R82.1 U1.L17 | length 1682
  Top Layer w4: U1.L17@3372.72,2842.25 v1(3388.47,2826.5) ; v1(4315.04,3076.04) 4316.88,3076.04 4324.24,3083.4 4332.11,3083.4 4339.14,3090.43 4339.14,3096.57 4348.43,3105.86 4475.39,3105.86 4497.85,3083.4 4653.41,3083.4 4669.09,3067.72 HDMI.6@4710,3067.72
  Bottom Layer w4: v1(3388.47,2826.5) 3384.76,2826.5 3379.73,2831.53 3379.07,2831.53 3376.72,2833.88 3376.72,2837.19 3382.36,2842.83 3440,2842.83 3467.05,2842.83 3471.93,2837.95 3476.93,2837.95 3484.93,2837.95 3486.93,2835.95 3486.93,2835.77 3488.93,2833.77 3494.93,2833.77 3496.93,2835.77 3496.93,2835.95 3498.93,2837.95 3548.07,2837.95 3551.12,2841 3556.12,2841 3564.12,2841 3566.12,2839 3566.12,2835.77 3568.12,2833.77 3574.12,2833.77 3576.12,2835.77 3576.12,2839 3578.12,2841 3600,2841 4150.69,2841 4185.3,2875.6 4185.3,3068.56 4200.13,3083.4 4305.84,3083.4 4313.2,3076.04 v1(4315.04,3076.04) R82.1@4315.04,3035
HDMI_D1_P: HDMI.4 R81.1 U1.L16 | length 1682
  Top Layer w4: U1.L16@3341.23,2842.25 v1(3356.98,2826.5) ; v1(4315.04,3098.76) 4316.88,3098.76 4324.24,3091.4 4328.79,3091.4 4331.14,3093.74 4331.14,3099.88 4345.12,3113.86 4478.7,3113.86 4501.16,3091.4 4653.41,3091.4 4669.09,3107.09 HDMI.4@4710,3107.09
  Bottom Layer w4: v1(3356.98,2826.5) 3360.69,2826.5 3365.72,2831.53 3366.38,2831.53 3368.72,2833.88 3368.72,2840.5 3379.05,2850.83 3470.36,2850.83 3475.24,2845.95 3544.76,2845.95 3547.81,2849 4147.38,2849 4177.3,2878.92 4177.3,3071.88 4196.82,3091.4 4305.84,3091.4 4313.2,3098.76 v1(4315.04,3098.76) R81.1@4315.04,3140